# Altium PCB PowerBoardController.PcbDoc (part 1 of 2) (continued)
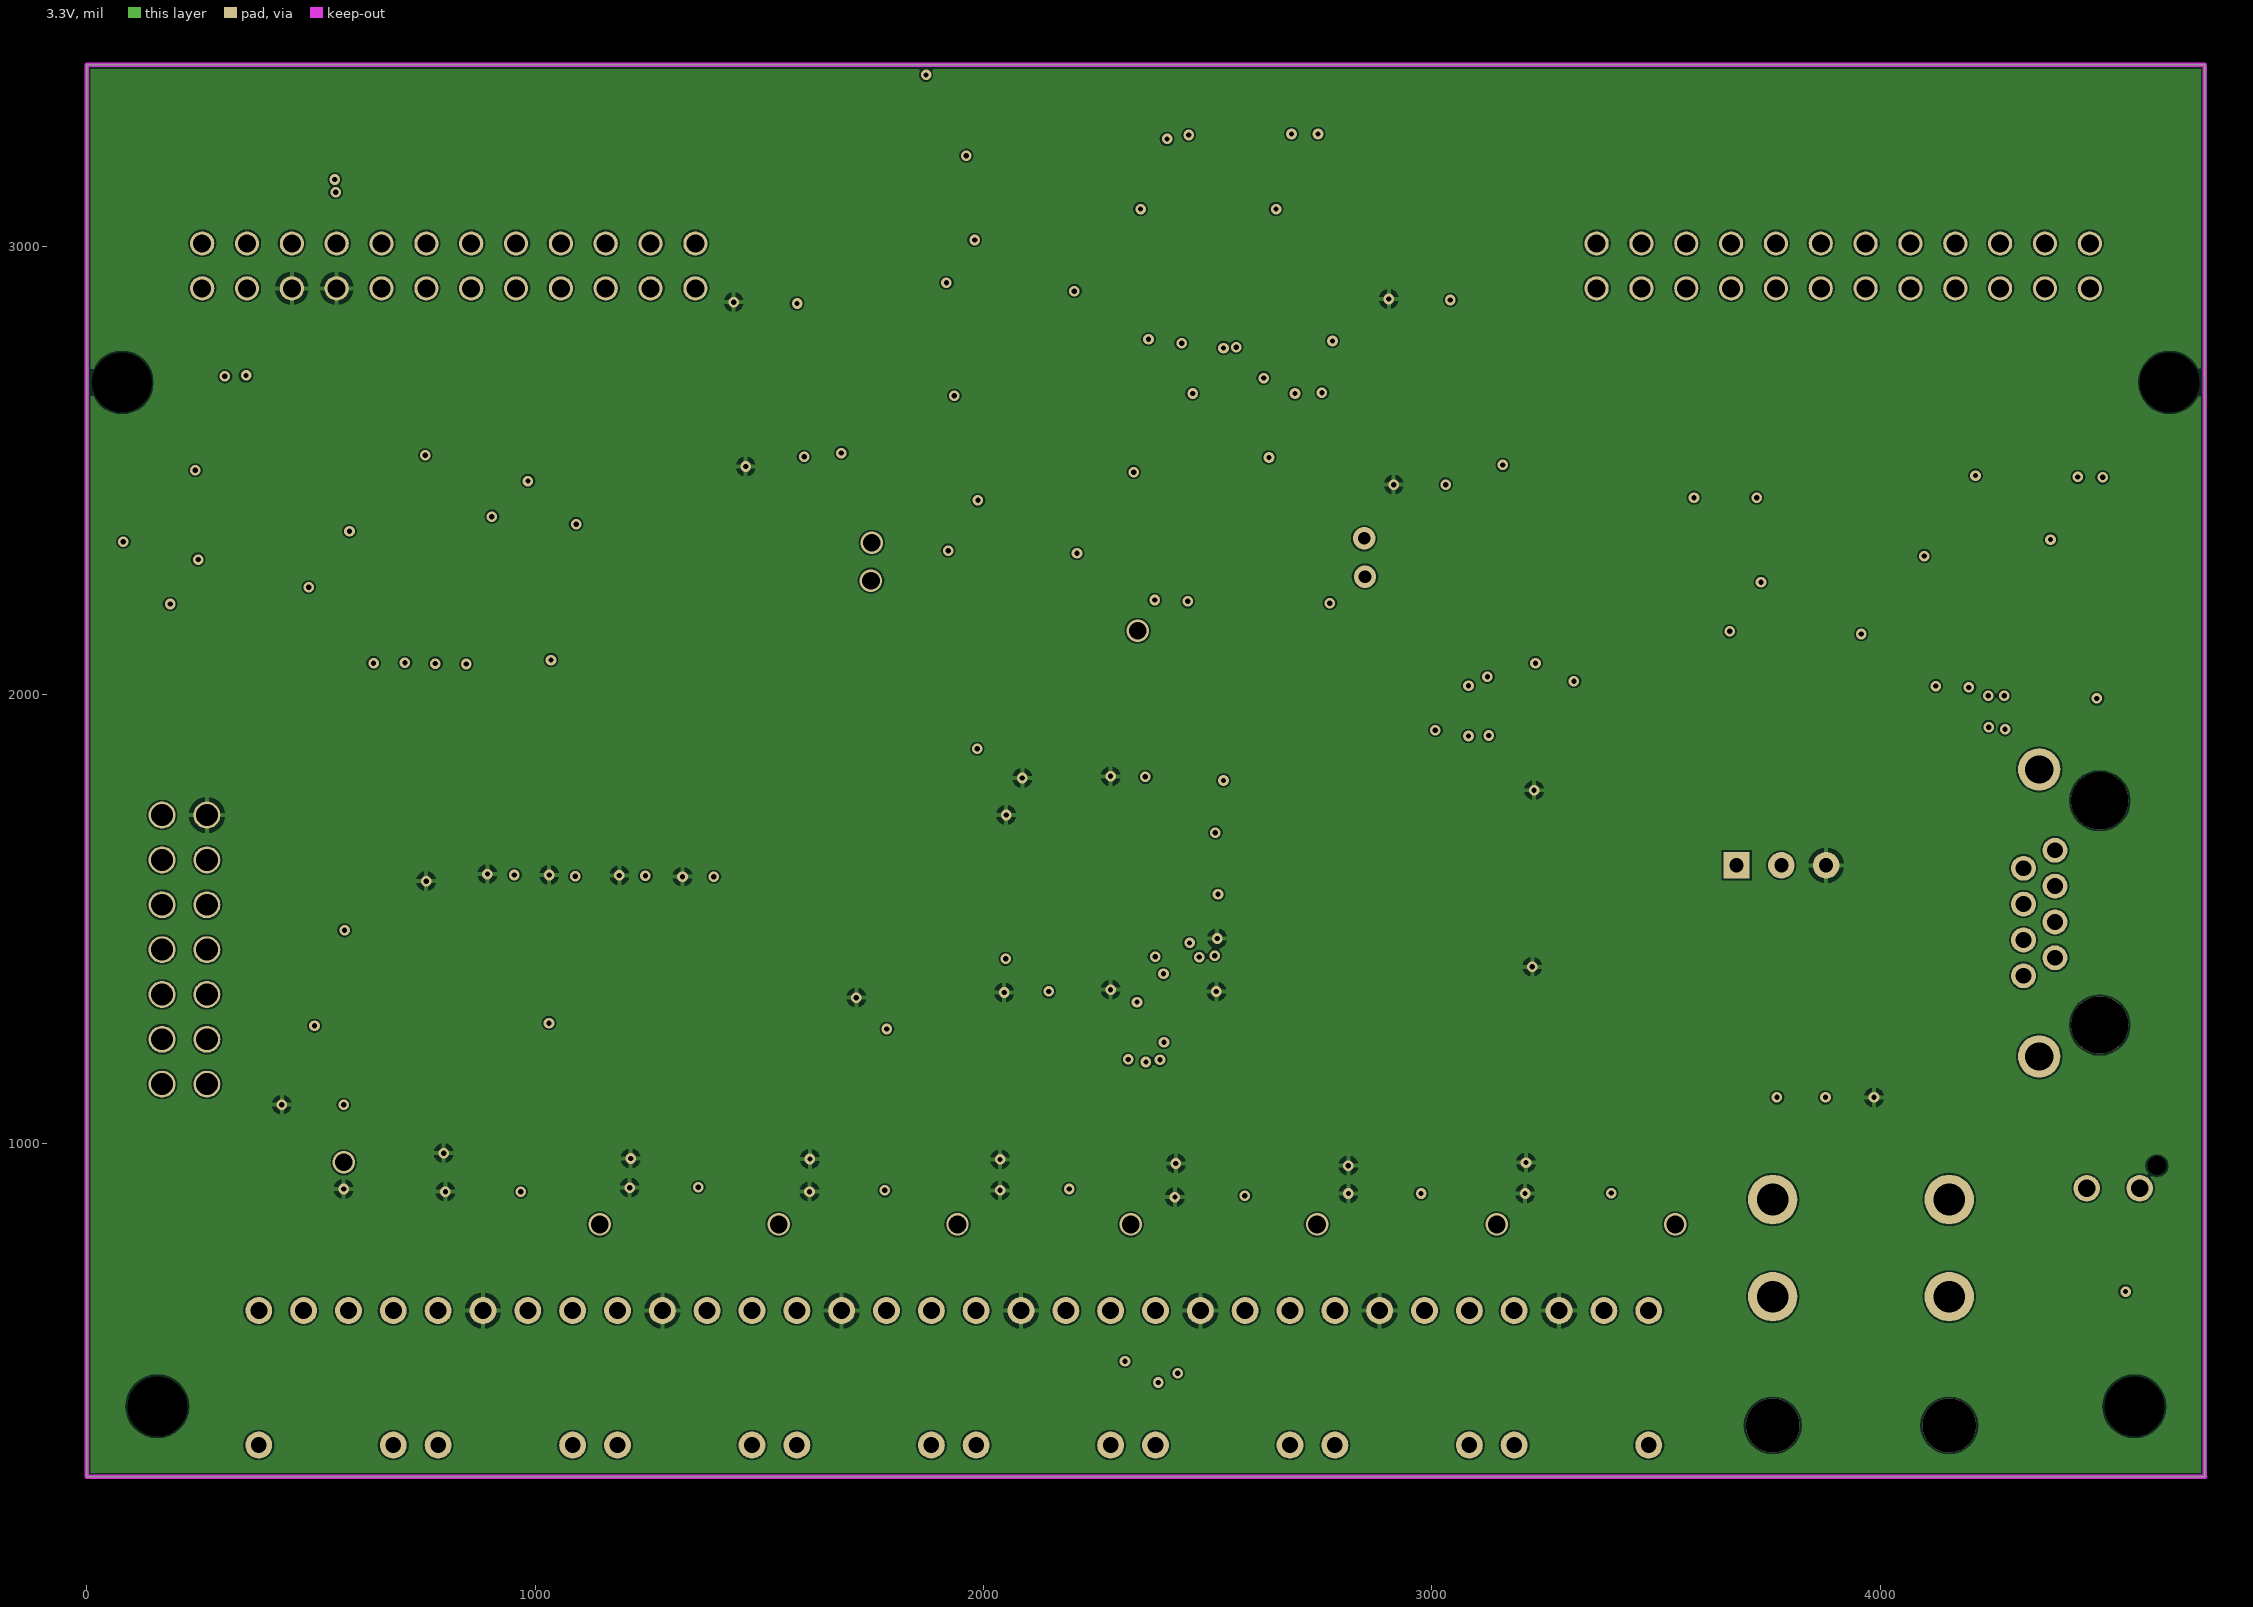
[diagram p3: 3.3V]
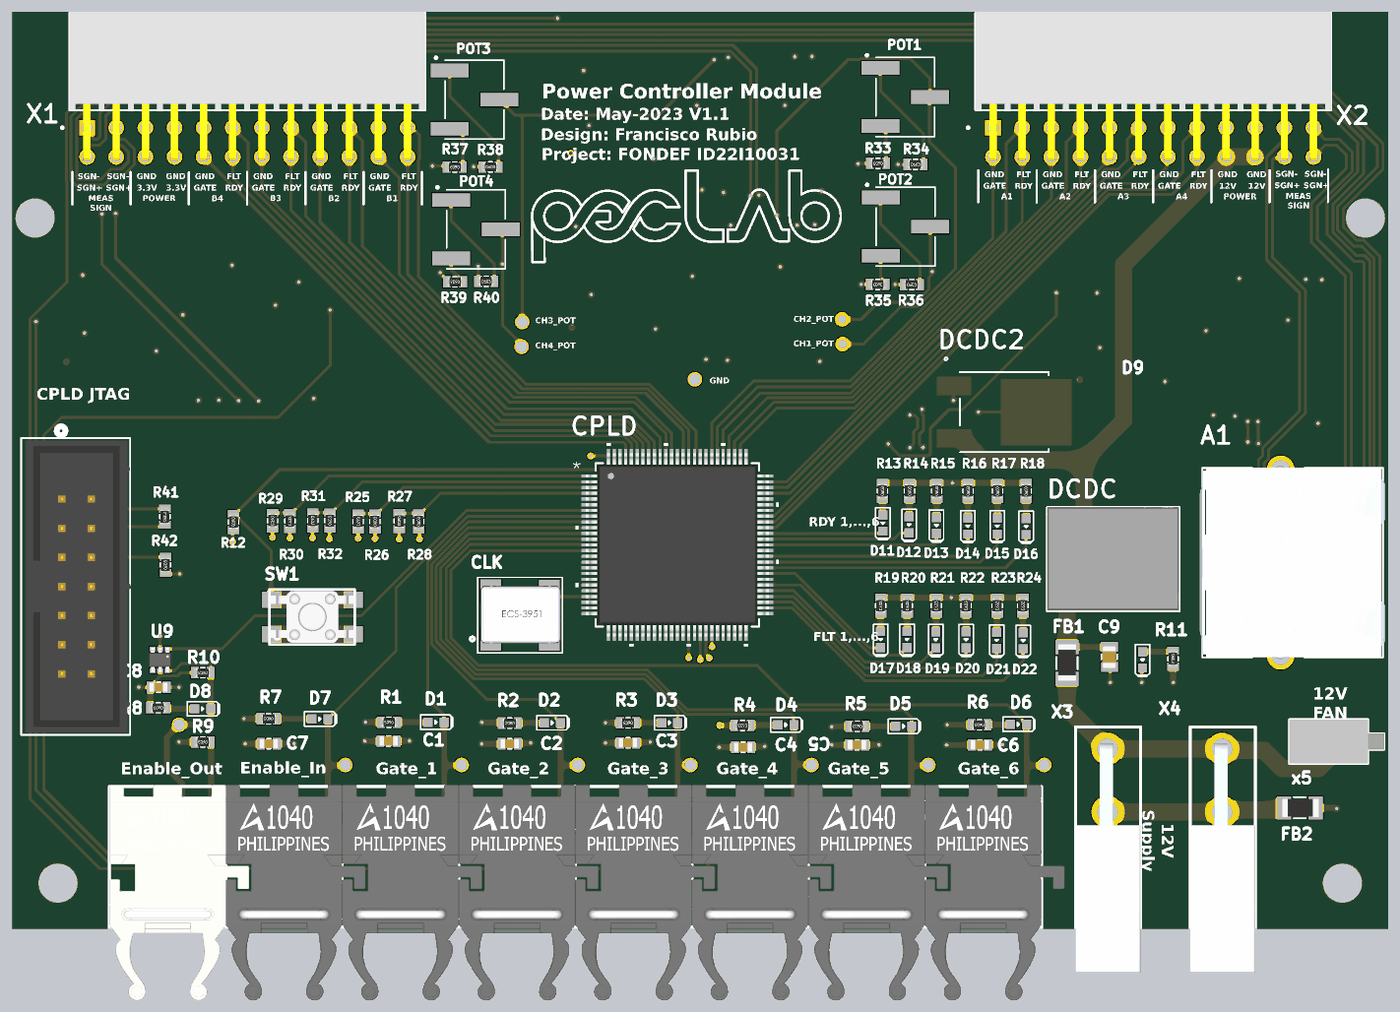
[diagram p5: 3D render of the assembled board from above, using the file's embedded part models]
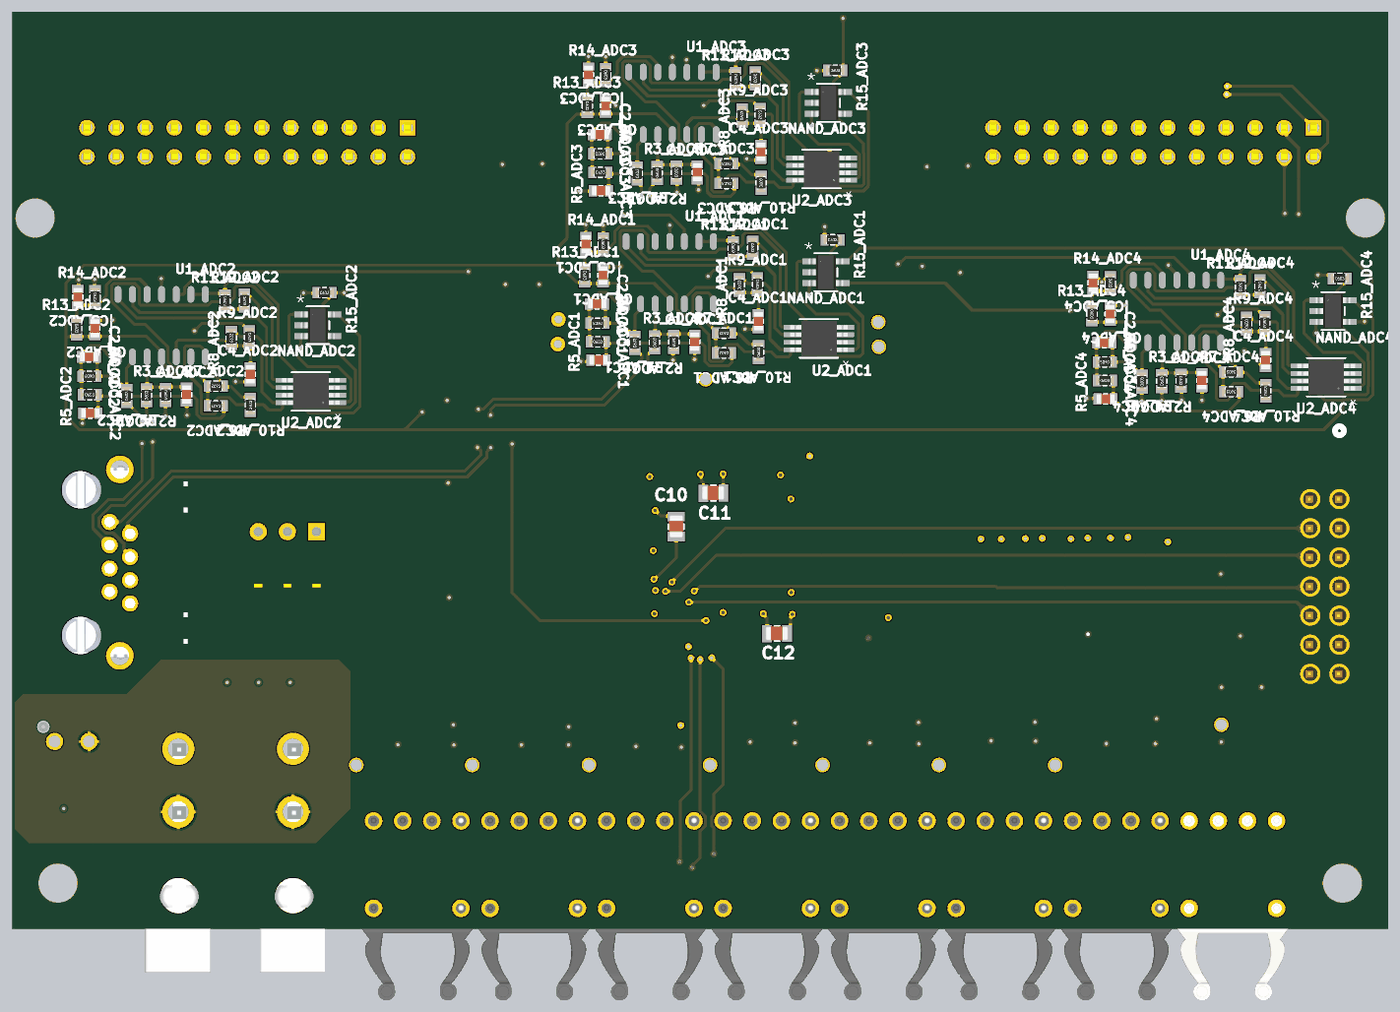
[diagram p6: 3D render of the assembled board from below, using the file's embedded part models]

## Layer stack, top to bottom
Top Solder: solder mask 0.9843, SM-003, Dk 4
Top Layer: signal copper 1.4
Dielectric 2: core 10, FR-4, Dk 4.2
GND: signal copper 1.4
Dielectric 1: prepreg 10, Dk 4.2
3.3V: signal copper 1.4
Dielectric 3: core 10, FR-4, Dk 4.2
Bottom Layer: signal copper 1.4
Bottom Solder: solder mask 0.9843, SM-003, Dk 4

## Board outline
0,255.91 0,3405.51 4724.41,3405.51 4724.41,255.91

## Design rules (kind name [scope] priority, off if disabled: settings)
Clearance [All] p1: gap=3.94 ignorepadtopadclearanceinfootprint=FALSE except(5: Arc-Arc Arc-Track Track-Track)
ComponentClearance [All] p1: gap=0 collisioncheckmode=3 verticalgap=0 showdistances=TRUE
DiffPairsRouting [All] p1: maxlimit=10 minlimit=10 mostfreqgap=10 toplayer_minwidth=10 toplayer_maxwidth=10 toplayer_prefwidth=10 midlayer1_minwidth=10 midlayer1_maxwidth=10 midlayer1_prefwidth=10 midlayer2_minwidth=10 midlayer2_maxwidth=10 midlayer2_prefwidth=10 bottomlayer_minwidth=10 bottomlayer_maxwidth=10 bottomlayer_prefwidth=10 maxuncoupledlength=500
HoleSize [All] p1: absolutevalues=TRUE maxlimit=393.7 minlimit=11.81 maxpercent=80.000 minpercent=20.000
MinimumSolderMaskSliver [All] p1: minsoldermaskwidth=7.87
PolygonConnect [All] p1: connectstyle=Relief reliefconductorwidth=10 reliefentries=4 polygonreliefangle="90 Angle" airgapwidth=10
RoomDefinition ADC1 [InComponentClass('ADC1')] p1: confinementstyle=ConfineIn formatcopy=TRUE lockcomponents=FALSE outline 1770.92,2130.05 1770.92,2712.05 2802.92,2712.05 2802.92,2130.05
RoomDefinition ADC2 [InComponentClass('ADC2')] p2: confinementstyle=ConfineIn formatcopy=TRUE lockcomponents=FALSE outline 3515.23,1948.32 3515.23,2530.32 4547.23,2530.32 4547.23,1948.32
RoomDefinition ADC3 [InComponentClass('ADC3')] p3: confinementstyle=ConfineIn formatcopy=TRUE lockcomponents=FALSE outline 1762.06,2711.74 1762.06,3293.74 2794.06,3293.74 2794.06,2711.74
RoomDefinition ADC4 [InComponentClass('ADC4')] p4: confinementstyle=ConfineIn formatcopy=TRUE lockcomponents=FALSE outline 29.78,1997.17 29.78,2579.17 1061.78,2579.17 1061.78,1997.17
RoutingVias [All] p1: holewidth=11.81 width=23.62 viastyle="Through Hole" minholewidth=11.81 minwidth=23.62 maxholewidth=11.81 maxwidth=23.62
SilkToSolderMaskClearance [IsPad] p1: minsilkscreentomaskgap=3.94 clearancetoexposedcopper=TRUE
SolderMaskExpansion [All] p1: expansion=4 istentingtop=FALSE
Width [All] p1: maxlimit=59.06 minlimit=10 preferedwidth=19.68 minimp=50.000000 maximp=50.000000 favimp=50.000000
25 further rules are at their usual default settings.

## Classes and differential pairs
channel class ProteccionesCPLD: ADC1 ADC2 ADC3 ADC4
net class TRIP_[1..4]: TRIP_1 TRIP_2 TRIP_3 TRIP_4
net class R_POT_[1..4]: R_POT_1 R_POT_2 R_POT_3 R_POT_4
net class ADC_OUT_[1..4]: ADC_OUT_1 ADC_OUT_2 ADC_OUT_3 ADC_OUT_4
net class ADC_IN-_[1..4]: ADC_IN-_1 ADC_IN-_2 ADC_IN-_3 ADC_IN-_4
net class ADC_IN+_[1..4]: ADC_IN+_1 ADC_IN+_2 ADC_IN+_3 ADC_IN+_4
component class ADC4: C1_ADC4 C2_ADC4 C3_ADC4 C4_ADC4 C5_ADC4 C6_ADC4 NAND_ADC4 R1_ADC4 R2_ADC4 R3_ADC4 R4_ADC4 R5_ADC4 R6_ADC4 R7_ADC4 R8_ADC4 R9_ADC4 R10_ADC4 R11_ADC4 R12_ADC4 R13_ADC4 R14_ADC4 R15_ADC4 U1_ADC4 U2_ADC4
component class ADC3: C1_ADC3 C2_ADC3 C3_ADC3 C4_ADC3 C5_ADC3 C6_ADC3 NAND_ADC3 R1_ADC3 R2_ADC3 R3_ADC3 R4_ADC3 R5_ADC3 R6_ADC3 R7_ADC3 R8_ADC3 R9_ADC3 R10_ADC3 R11_ADC3 R12_ADC3 R13_ADC3 R14_ADC3 R15_ADC3 U1_ADC3 U2_ADC3
component class ADC2: C1_ADC2 C2_ADC2 C3_ADC2 C4_ADC2 C5_ADC2 C6_ADC2 NAND_ADC2 R1_ADC2 R2_ADC2 R3_ADC2 R4_ADC2 R5_ADC2 R6_ADC2 R7_ADC2 R8_ADC2 R9_ADC2 R10_ADC2 R11_ADC2 R12_ADC2 R13_ADC2 R14_ADC2 R15_ADC2 U1_ADC2 U2_ADC2
component class ADC1: C1_ADC1 C2_ADC1 C3_ADC1 C4_ADC1 C5_ADC1 C6_ADC1 NAND_ADC1 R1_ADC1 R2_ADC1 R3_ADC1 R4_ADC1 R5_ADC1 R6_ADC1 R7_ADC1 R8_ADC1 R9_ADC1 R10_ADC1 R11_ADC1 R12_ADC1 R13_ADC1 R14_ADC1 R15_ADC1 U1_ADC1 U2_ADC1
component class PowerControllerBoardV1: A1 AAAA C1 C2 C3 C4 C5 C6 C7 C8 C9 C10 C11 C12 CLK CPLD D1 D2 D3 D4 D5 D6 D7 D8 D9 D11 D12 D13 D14 D15 D16 D17 D18 D19 D20 D21 D22 DCDC DCDC2 FB1 FB2 JTAG POT1 POT2 POT3 POT4 R1 R2 R3 R4 R5 R6 R7 R8 R9 R10 R11 R12 R13 R14 R15 R16 R17 R18 R19 R20 R21 R22 R23 R24 R25 R26 R27 R28 R29 R30 R31 R32 R33 R34 R35 R36 R37 R38 R39 R40 R41 R42 U1 U2 U3 U4 U5 U6 U7 U8 U9 X1 X2 X3 X4 x5
differential pair ADC_IN_4: +ADC_IN+_4 -ADC_IN-_4
differential pair ADC_IN_3: +ADC_IN+_3 -ADC_IN-_3
differential pair ADC_IN_2: +ADC_IN+_2 -ADC_IN-_2
differential pair ADC_IN_1: +ADC_IN+_1 -ADC_IN-_1

## Components (designator, comment, footprint, x,y, rotation, side; value= is the part's Value field where it differs from the comment)
A1 "RJ-45 Modulo" RJ45_RJHSE5E80 4389.76,1653.54 r90 top
C1 "100nF" CAP_0603 1265,901 r90 top
C1_ADC1 "100nF" CAP_0603 2381.17,2299.66 r180 bottom (schematic designator C1)
C1_ADC2 "100nF" CAP_0603 4125.47,2117.93 r180 bottom (schematic designator C1)
C1_ADC3 "100nF" CAP_0603 2372.31,2881.35 r180 bottom (schematic designator C1)
C1_ADC4 "100nF" CAP_0603 640.02,2166.79 r180 bottom (schematic designator C1)
C2 "100nF" CAP_0603 1680.88,892 r90 top
C2_ADC1 "100nF" CAP_0603 2688.92,2402.05 r270 bottom (schematic designator C2)
C2_ADC2 "100nF" CAP_0603 4433.23,2220.32 r270 bottom (schematic designator C2)
C2_ADC3 "100nF" CAP_0603 2680.06,2983.74 r270 bottom (schematic designator C2)
C2_ADC4 "100nF" CAP_0603 947.78,2269.17 r270 bottom (schematic designator C2)
C3 "100nF" CAP_0603 2087,895 r90 top
C3_ADC1 "100nF" CAP_0603 2684.32,2208.79 r270 bottom (schematic designator C3)
C3_ADC2 "100nF" CAP_0603 4428.62,2027.06 r270 bottom (schematic designator C3)
C3_ADC3 "100nF" CAP_0603 2675.46,2790.48 r270 bottom (schematic designator C3)
C3_ADC4 "100nF" CAP_0603 943.17,2075.91 r270 bottom (schematic designator C3)
C4 "100nF" CAP_0603 2481.88,880 r90 top
C4_ADC1 "100nF" CAP_0603 2162.66,2369.54 r180 bottom (schematic designator C4)
C4_ADC2 "100nF" CAP_0603 3906.97,2187.81 r180 bottom (schematic designator C4)
C4_ADC3 "100nF" CAP_0603 2153.8,2951.24 r180 bottom (schematic designator C4)
C4_ADC4 "100nF" CAP_0603 421.52,2236.67 r180 bottom (schematic designator C4)
C5 "100nF" CAP_0603 2873,888 r90 top
C5_ADC1 "100nF" CAP_0603 2754.72,2579.96 r0 bottom (schematic designator C5)
C5_ADC2 "100nF" CAP_0603 4499.02,2398.23 r0 bottom (schematic designator C5)
C5_ADC3 "100nF" CAP_0603 2745.86,3161.65 r0 bottom (schematic designator C5)
C5_ADC4 "100nF" CAP_0603 1013.57,2447.09 r0 bottom (schematic designator C5)
C6 "100nF" CAP_0603 3294.88,888 r90 top
C6_ADC1 "100nF" CAP_0603 2696.13,2472.89 r0 bottom (schematic designator C6)
C6_ADC2 "100nF" CAP_0603 4440.43,2291.16 r0 bottom (schematic designator C6)
C6_ADC3 "100nF" CAP_0603 2687.27,3054.58 r0 bottom (schematic designator C6)
C6_ADC4 "100nF" CAP_0603 954.98,2340.02 r0 bottom (schematic designator C6)
C7 "100nF" CAP_0603 853.88,892 r90 top
C8 "100nF" CAP_0603 475,1086 r90 top
C9 "100nF" CAP_0805 3766.63,1224.37 r0 top
C10 "100nF" CAP_0805 2444.88,1603.35 r0 bottom
C11 "100nF" CAP_0805 2282.87,1752.76 r270 bottom
C12 "100nF" CAP_0805 2064.37,1270.47 r270 bottom
CLK "20MHz" "SMD-4 Oscillator" 1643.7,1250.98 r0 top
CPLD "XC95144XL-10TQG100C" 100-TQFP_XIL 2283.46,1574.8 r0 top
D1 "Yellow" LED_0603_Yellow 1427.88,966 r90 top
D2 "Yellow" LED_0603_Yellow 1827,964 r90 top
D3 "Yellow" LED_0603_Yellow 2229.88,964 r90 top
D4 "Yellow" LED_0603_Yellow 2628.88,957 r90 top
D5 "Yellow" LED_0603_Yellow 3032.88,952 r90 top
D6 "Yellow" LED_0603_Yellow 3427,959 r90 top
D7 "Yellow" LED_0603_Yellow 1028.88,977 r90 top
D8 "Yellow" LED_0603_Yellow 626.88,1012 r90 top
D9 "Blue" LED_0603_Blue 3880.63,1207.49 r0 top
D11 "Blue" LED_0603_Blue 2989,1677.12 r0 top
D12 "Blue" LED_0603_Blue 3079,1671 r0 top
D13 "Blue" LED_0603_Blue 3173,1669 r0 top
D14 "Blue" LED_0603_Blue 3281,1667 r0 top
D15 "Blue" LED_0603_Blue 3382,1667 r0 top
D16 "Blue" LED_0603_Blue 3481,1665.12 r0 top
D17 "Red" LED_0603_Red 2981,1277 r0 top
D18 "Red" LED_0603_Red 3072,1277 r0 top
D19 "Red" LED_0603_Red 3171,1276 r0 top
D20 "Red" LED_0603_Red 3275,1276.12 r0 top
D21 "Red" LED_0603_Red 3380,1274 r0 top
D22 "Red" LED_0603_Red 3471,1273 r0 top
DCDC "3.3V 2A" "DC-DC CUI" 3779.53,1433 r0 top
DCDC2 "NCP1117DT50G" DPAK_ONS 3406.13,2030.51 r270 top
FB1 "60 Ohm" FB_1206 3621.23,1114.32 r180 top
FB2 "60 Ohm" FB_1206 4365.93,672.32 r90 top
JTAG "61201421621" CONN14_1421621_WRE 168,1732 r270 top
NAND_ADC1 "SN74LVC1G00DBVR" DBV5-M 1931,2510.59 r180 bottom (schematic designator NAND)
NAND_ADC2 "SN74LVC1G00DBVR" DBV5-M 3675.31,2328.86 r180 bottom (schematic designator NAND)
NAND_ADC3 "SN74LVC1G00DBVR" DBV5-M 1922.14,3092.28 r180 bottom (schematic designator NAND)
NAND_ADC4 "SN74LVC1G00DBVR" DBV5-M 189.86,2377.72 r180 bottom (schematic designator NAND)
POT1 "3361S-1-103GLF" TRIM_3361S-1-103GLF 3065.94,3112.2 r0 top
POT2 "3361S-1-103GLF" TRIM_3361S-1-103GLF 3066.93,2667.32 r0 top
POT3 "3361S-1-103GLF" TRIM_3361S-1-103GLF 1587.2,3103.35 r0 top
POT4 "3361S-1-103GLF" TRIM_3361S-1-103GLF 1592.13,2658.46 r0 top
R1 "10k" RES_0603 1321.12,966 r270 top
R1_ADC1 "10k" RES_0603 2586.87,2240.61 r0 bottom (schematic designator R1)
R1_ADC2 "10k" RES_0603 4331.18,2058.87 r0 bottom (schematic designator R1)
R1_ADC3 "10k" RES_0603 2578.02,2822.3 r0 bottom (schematic designator R1)
R1_ADC4 "10k" RES_0603 845.73,2107.73 r0 bottom (schematic designator R1)
R2 "10k" RES_0603 1736,963 r270 top
R2_ADC1 "10k" RES_0603 2518.96,2242.57 r0 bottom (schematic designator R2)
R2_ADC2 "10k" RES_0603 4263.27,2060.84 r0 bottom (schematic designator R2)
R2_ADC3 "10k" RES_0603 2510.1,2824.27 r0 bottom (schematic designator R2)
R2_ADC4 "10k" RES_0603 777.82,2109.7 r0 bottom (schematic designator R2)
R3 "10k" RES_0603 2141.88,964 r270 top
R3_ADC1 "10k" RES_0603 2453.02,2298.68 r180 bottom (schematic designator R3)
R3_ADC2 "10k" RES_0603 4197.32,2116.95 r180 bottom (schematic designator R3)
R3_ADC3 "10k" RES_0603 2444.16,2880.37 r180 bottom (schematic designator R3)
R3_ADC4 "10k" RES_0603 711.87,2165.8 r180 bottom (schematic designator R3)
R4 "10k" RES_0603 2535,955 r270 top
R4_ADC1 "10k" RES_0603 2687.27,2335.76 r270 bottom (schematic designator R4)
R4_ADC2 "10k" RES_0603 4431.58,2154.02 r270 bottom (schematic designator R4)
R4_ADC3 "10k" RES_0603 2678.41,2917.45 r270 bottom (schematic designator R4)
R4_ADC4 "10k" RES_0603 946.13,2202.88 r270 bottom (schematic designator R4)
R5 "10k" RES_0603 2929,952 r270 top
R5_ADC1 "10k" RES_0603 2741.4,2271.78 r90 bottom (schematic designator R5)
R5_ADC2 "10k" RES_0603 4485.71,2090.05 r90 bottom (schematic designator R5)
R5_ADC3 "10k" RES_0603 2732.54,2853.47 r90 bottom (schematic designator R5)
R5_ADC4 "10k" RES_0603 1000.26,2138.91 r90 bottom (schematic designator R5)
R6 "10k" RES_0603 3348.12,957 r270 top
R6_ADC1 "10k" RES_0603 2253.21,2233.72 r270 bottom (schematic designator R6)
R6_ADC2 "10k" RES_0603 3997.52,2051.98 r270 bottom (schematic designator R6)
R6_ADC3 "10k" RES_0603 2244.35,2815.41 r270 bottom (schematic designator R6)
R6_ADC4 "10k" RES_0603 512.07,2100.84 r270 bottom (schematic designator R6)
R7 "10k" RES_0603 908,978 r270 top
R7_ADC1 "10k" RES_0603 2253.21,2301.63 r270 bottom (schematic designator R7)
R7_ADC2 "10k" RES_0603 3997.52,2119.9 r270 bottom (schematic designator R7)
R7_ADC3 "10k" RES_0603 2244.35,2883.32 r270 bottom (schematic designator R7)
R7_ADC4 "10k" RES_0603 512.07,2168.76 r270 bottom (schematic designator R7)
R8 "10k" RES_0603 529,1016 r270 top
R8_ADC1 "10k" RES_0603 2227.62,2439.43 r0 bottom (schematic designator R8)
R8_ADC2 "10k" RES_0603 3971.93,2257.69 r0 bottom (schematic designator R8)
R8_ADC3 "10k" RES_0603 2218.76,3021.12 r0 bottom (schematic designator R8)
R8_ADC4 "10k" RES_0603 486.48,2306.55 r0 bottom (schematic designator R8)
R9 "10k" RES_0603 682.12,898 r270 top
R9_ADC1 "10k" RES_0603 2165.61,2496.51 r180 bottom (schematic designator R9)
R9_ADC2 "10k" RES_0603 3909.92,2314.78 r180 bottom (schematic designator R9)
R9_ADC3 "10k" RES_0603 2156.76,3078.2 r180 bottom (schematic designator R9)
R9_ADC4 "10k" RES_0603 424.47,2363.64 r180 bottom (schematic designator R9)
R10 "10k" RES_0603 682.12,1136 r270 top
R10_ADC1 "10k" RES_0603 2161.92,2208.93 r0 bottom (schematic designator R10)
R10_ADC2 "10k" RES_0603 3906.23,2027.2 r0 bottom (schematic designator R10)
R10_ADC3 "10k" RES_0603 2153.06,2790.62 r0 bottom (schematic designator R10)
R10_ADC4 "10k" RES_0603 420.78,2076.06 r0 bottom (schematic designator R10)
R11 "10k" RES_0603 3985.24,1211.61 r0 top
R11_ADC1 "10k" RES_0603 2249.28,2620.53 r180 bottom (schematic designator R11)
R11_ADC2 "10k" RES_0603 3993.58,2438.8 r180 bottom (schematic designator R11)
R11_ADC3 "10k" RES_0603 2240.42,3202.22 r180 bottom (schematic designator R11)
R11_ADC4 "10k" RES_0603 508.13,2487.65 r180 bottom (schematic designator R11)
R12 "10k" RES_0603 759.84,1680.6 r0 top
R12_ADC1 "10k" RES_0603 2182.35,2622.5 r180 bottom (schematic designator R12)
R12_ADC2 "10k" RES_0603 3926.65,2440.76 r180 bottom (schematic designator R12)
R12_ADC3 "10k" RES_0603 2173.49,3204.19 r180 bottom (schematic designator R12)
R12_ADC4 "10k" RES_0603 441.2,2489.62 r180 bottom (schematic designator R12)
R13 "10k" RES_0603 2988,1732.28 r180 top
R13_ADC1 "10k" RES_0603 2758.92,2527.05 r180 bottom (schematic designator R13)
R13_ADC2 "10k" RES_0603 4503.23,2345.32 r180 bottom (schematic designator R13)
R13_ADC3 "10k" RES_0603 2750.06,3108.74 r180 bottom (schematic designator R13)
R13_ADC4 "10k" RES_0603 1017.78,2394.17 r180 bottom (schematic designator R13)
R14 "10k" RES_0603 3081,1732.28 r180 top
R14_ADC1 "10k" RES_0603 2695.66,2634.09 r180 bottom (schematic designator R14)
R14_ADC2 "10k" RES_0603 4439.97,2452.36 r180 bottom (schematic designator R14)
R14_ADC3 "10k" RES_0603 2686.8,3215.79 r180 bottom (schematic designator R14)
R14_ADC4 "10k" RES_0603 954.52,2501.22 r180 bottom (schematic designator R14)
R15 "10k" RES_0603 3174,1732.28 r180 top
R15_ADC1 "10k" RES_0603 1935.04,2622.05 r90 bottom (schematic designator R15)
R15_ADC2 "10k" RES_0603 3679.35,2440.32 r90 bottom (schematic designator R15)
R15_ADC3 "10k" RES_0603 1926.18,3203.74 r90 bottom (schematic designator R15)
R15_ADC4 "10k" RES_0603 193.9,2489.17 r90 bottom (schematic designator R15)
R16 "10k" RES_0603 3282,1732.28 r180 top
R17 "10k" RES_0603 3383,1732.28 r180 top
R18 "10k" RES_0603 3481,1732.28 r180 top
R19 "10k" RES_0603 2982,1338.58 r180 top
R20 "10k" RES_0603 3073,1338.58 r180 top
R21 "10k" RES_0603 3173,1338.58 r180 top
R22 "10k" RES_0603 3275,1338.58 r180 top
R23 "10k" RES_0603 3382,1338.58 r180 top
R24 "10k" RES_0603 3470,1338.58 r180 top
R25 "10k" RES_0603 1187.84,1682.48 r0 top
R26 "10k" RES_0603 1245.84,1627.36 r180 top
R27 "10k" RES_0603 1328.84,1684.02 r0 top
R28 "10k" RES_0603 1395.84,1627.48 r180 top
R29 "10k" RES_0603 893.84,1685.02 r0 top
R30 "10k" RES_0603 953.84,1629.36 r180 top
R31 "10k" RES_0603 1031.84,1686.02 r0 top
R32 "10k" RES_0603 1090.84,1630.36 r180 top
R33 "10k" RES_0603 3000,2884.84 r270 top
R34 "10k" RES_0603 3073.82,2880.91 r90 top
R35 "10k" RES_0603 2999,2469 r270 top
R36 "10k" RES_0603 3060.88,2468 r90 top
R37 "10k" RES_0603 1546.85,2872.05 r270 top
R38 "10k" RES_0603 1614.76,2872.05 r90 top
R39 "10k" RES_0603 1547.9,2478.13 r270 top
R40 "10k" RES_0603 1600.06,2479.12 r90 top
R41 "10k" RES_0603 524.61,1643.7 r180 top
R42 "10k" RES_0603 526.58,1478.35 r180 top
SW1 "NO" "Button SMD" 1031,1327 r0 top (schematic designator SW?)
U1 "HFBR-2521Z" FO_Rx_HFBR-2521Z 1483.7,626.93 r0 top
U1_ADC1 "TLV9064IDR" D0014A_N 2466.8,2509.15 r90 bottom (schematic designator U1)
U1_ADC2 "TLV9064IDR" D0014A_N 4211.1,2327.42 r90 bottom (schematic designator U1)
U1_ADC3 "TLV9064IDR" D0014A_N 2457.94,3090.84 r90 bottom (schematic designator U1)
U1_ADC4 "TLV9064IDR" D0014A_N 725.65,2376.27 r90 bottom (schematic designator U1)
U2 "HFBR-2521Z" FO_Rx_HFBR-2521Z 1883.7,626.93 r0 top
U2_ADC1 "MAX9032AUA+" 21-0036K-M 1954.62,2283.23 r0 bottom (schematic designator U2)
U2_ADC2 "MAX9032AUA+" 21-0036K-M 3698.93,2101.5 r0 bottom (schematic designator U2)
U2_ADC3 "MAX9032AUA+" 21-0036K-M 1945.76,2864.92 r0 bottom (schematic designator U2)
U2_ADC4 "MAX9032AUA+" 21-0036K-M 213.48,2150.35 r0 bottom (schematic designator U2)
U3 "HFBR-2521Z" FO_Rx_HFBR-2521Z 2283.7,626.92 r0 top
U4 "HFBR-2521Z" FO_Rx_HFBR-2521Z 2683.7,626.92 r0 top
U5 "HFBR-2521Z" FO_Rx_HFBR-2521Z 3083.7,626.92 r0 top
U6 "HFBR-2521Z" FO_Rx_HFBR-2521Z 3483.7,626.92 r0 top
U7 "HFBR-2521Z" FO_Rx_HFBR-2521Z 1083.7,626.92 r0 top
U8 "HFBR-1521Z" FO_Tx_HFBR-1521Z 683.7,626.92 r0 top
U9 "Buffer Open-Collector" SC-70 508,1180 r180 top
X1 "SSQ-112-23-S-D-RA" SAMTEC_SSQ-112-23-S-D-RA 807.44,3234.25 r0 top
X2 "SSQ-112-23-S-D-RA" SAMTEC_SSQ-112-23-S-D-RA 3917.44,3234.25 r0 top
X3 "Connector 2x1 R/A" CON_WR-MPC4-649002227222 3760.32,874.46 r0 top
X4 "Connector 2x1 R/A" CON_WR-MPC4-649002227222 4154.02,874.46 r0 top
x5 "Connector 1x2 Molex" Con_2068320201 4578.74,899.61 r270 top
